# Altium PCB 蓝桥1.41.PcbDoc (part 2 of 2) (continued)
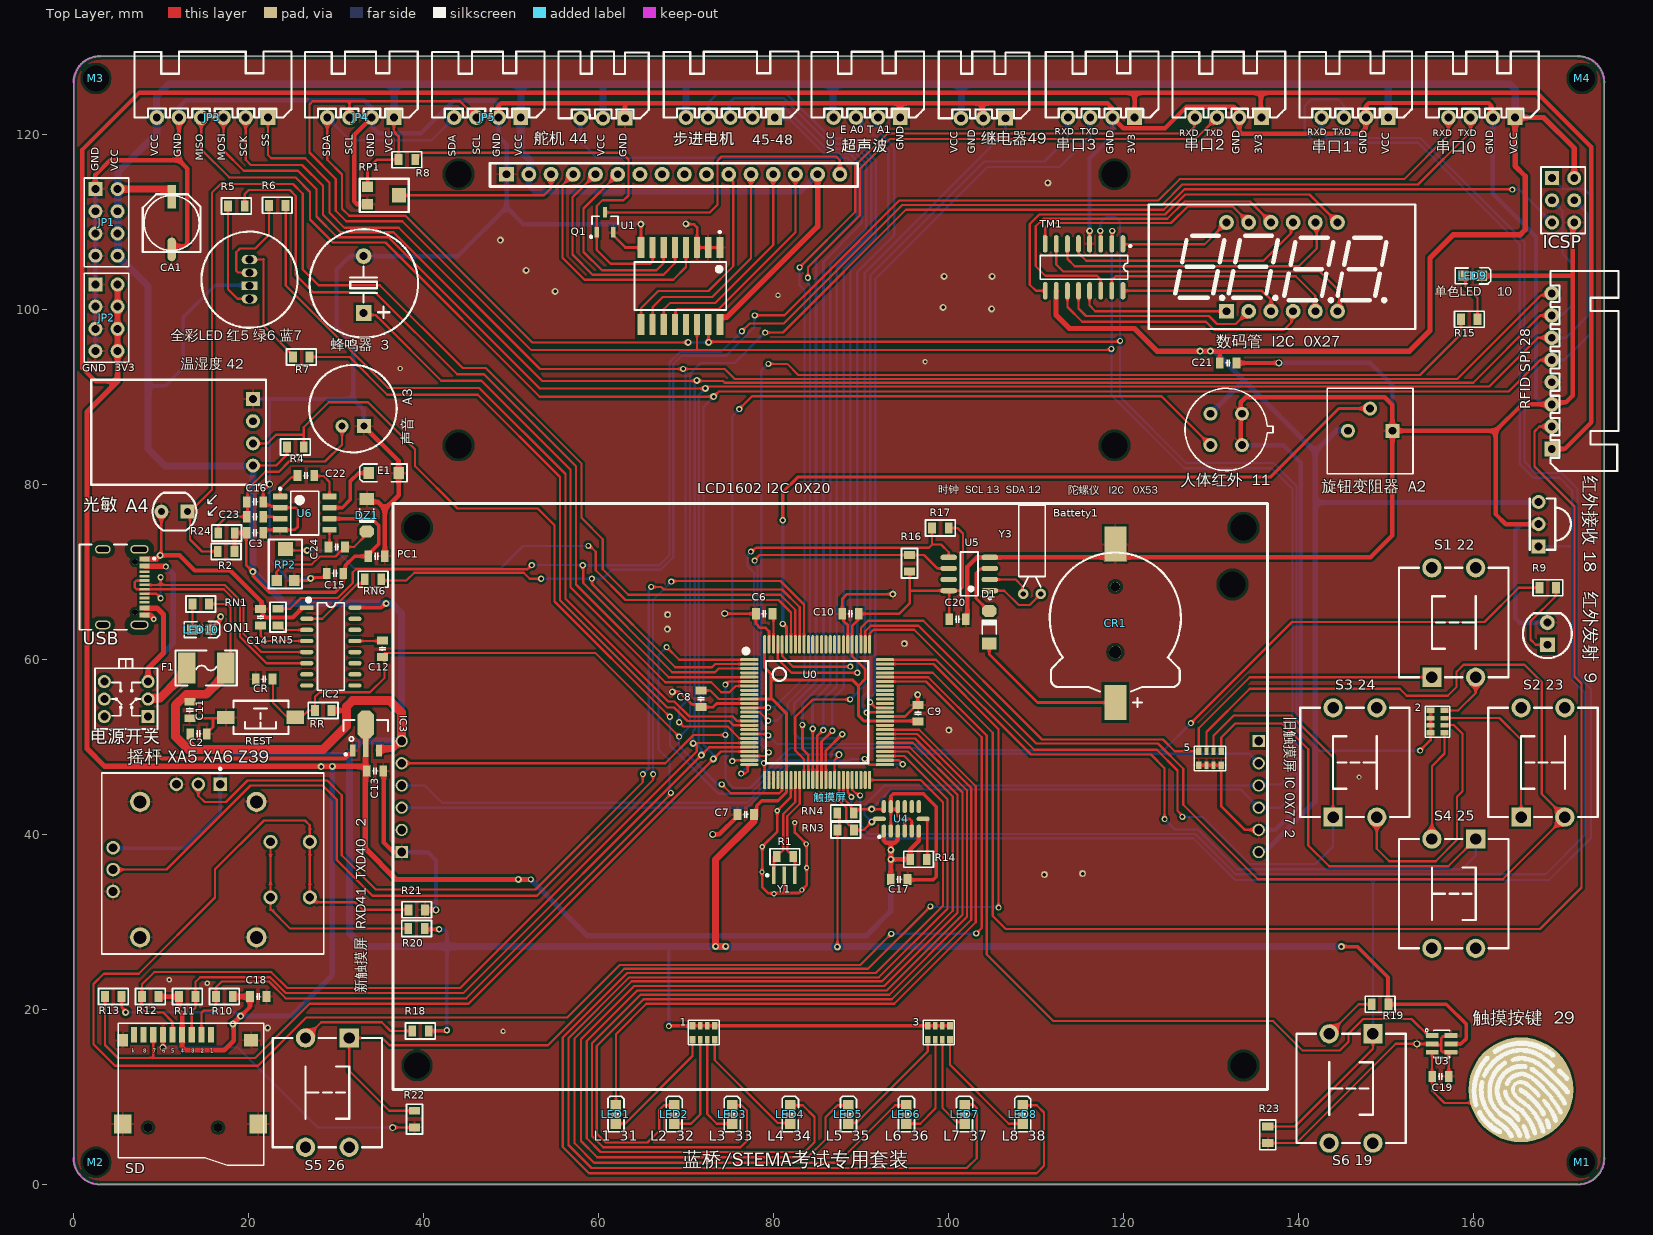
[diagram p0: Top Layer view]
## Nets (pads, with @x,y where several pads share a name; then routed paths per layer and width w, separated by ;. In a path a pad name is that pad's centre, name@x,y a point inside that pad or via, vN(x,y) a via of type N, cw(c..) or ccw(c..) an arc to the next point about the centre after c; other vN are vias at no path point) (continued)
  Top Layer w0.254: TM1.8@111.08,107.542 111.08,109.425 111.58,109.925 125.475,109.925 127.375,111.825 132.525,111.825 134.35,110
NetTM1_9: "数码管  I2C  0X27.7" TM1.9 | length 46.9
  Top Layer w0.254: TM1.9@111.08,102.183 110.017,102.183 109.325,102.875 109.325,109.825 110.4,110.9 124.786,110.9 127.086,113.2 141.31,113.2 144.51,110
NetTM1_11: "数码管  I2C  0X27.4" TM1.11 | length 30.3
  Top Layer w0.254: TM1.11@113.62,102.183 113.62,100.33 115.312,98.637 129.463,98.637 130.4,97.7 138.35,97.7 139.259,98.609 139.259,99.669 139.43,99.84
NetTM1_12: "数码管  I2C  0X27.2" TM1.12 | length 22.8
  Top Layer w0.254: TM1.12@114.89,102.183 114.89,100.16 115.75,99.3 129.8,99.3 130.725,98.375 132.885,98.375 134.35,99.84
NetTM1_13: "数码管  I2C  0X27.1" TM1.13 | length 17.6
  Top Layer w0.254: TM1.13@116.16,102.183 116.16,100.49 116.81,99.84 131.81,99.84
NetTM1_14: "数码管  I2C  0X27.10" TM1.14 | length 43
  Top Layer w0.254: TM1.14@117.43,102.183 117.43,103.47 117,103.9 111.1,103.9 110,105 110,109.55 110.875,110.425 125.05,110.425 127.025,112.4 134.49,112.4 136.89,110
NetTM1_15: "数码管  I2C  0X27.5" TM1.15 | length 27.4
  Top Layer w0.254: TM1.15@118.7,102.183 118.7,103.425 119.125,103.85 139.725,103.85 141.97,101.605 141.97,99.84
NetTM1_16: "数码管  I2C  0X27.3" TM1.16 | length 18.7
  Top Layer w0.305: TM1.16@119.97,102.183 135.867,102.183 136.89,101.16 136.89,99.84
NetU5_1: U5.1 Y3.1 | length 7
  Top Layer w0.254: U5.1@104.75,67.895 106.405,67.895 108.05,66.25 109.3,66.25 Y3.1@110.575,67.525
NetU5_2: U5.2 Y3.2 | length 5
  Top Layer w0.254: U5.2@104.75,69.165 107.71,69.165 108.469,68.406 108.469,67.631 Y3.2@108.575,67.525
NetUSB_A4-B9: USB.A4-B9 USB.B4-A9 电源开关.3 | length 28
  Top Layer w0.61: USB.B4-A9@8.09,65.9 9.525,65.9 10.275,65.15 10.275,60.775 8.5,59 电源开关.3@8.5,57.5 ; USB.A4-B9@8.09,70.7 10.476,70.7 10.526,70.65 v1(10.55,70.65)
  Bottom Layer w0.61: 电源开关.3@8.5,57.5 8.5,59 11.375,61.875 11.375,69.801 10.55,70.626 v1(10.55,70.65)
P1: R10.2 SD.2 U0.1 | length 97.2
  Top Layer w0.254: SD.2@14.6,17.127 14.6,19.625 14.85,19.875 15.672,19.875 16.274,20.476 R10.2@16.274,21.475 16.274,22.549 16.925,23.2 22.325,23.2 24.25,21.275 44.9,21.275 68.29,44.665 v1(68.29,44.76) ; v1(67.785,61.45) 69.235,60 U0.1@77.253,60
  Bottom Layer w0.254: v1(67.785,61.45) 66.85,60.515 66.85,49.775 68.125,48.5 68.125,45.618 68.158,45.586 68.158,44.892 v1(68.29,44.76)
P2: RN6.2 U0.2 串口0.4 | length 182.2
  Top Layer w0.254: RN6.2@35.175,69.2 35.325,69.05 38.025,69.05 38.925,69.95 51.45,69.95 52.15,69.25 v1(53.45,69.25) ; v1(59.25,69.275) 59.25,68.65 68.775,59.125 72.975,59.125 73.35,59.5 U0.2@77.253,59.5 ; v1(77.875,99.375) 81.275,99.375 85.325,103.425 94.4,112.5 124,112.5 126.45,114.95 152.125,114.95 157.19,120.015 串口0.4@157.19,122
  Bottom Layer w0.254: v1(53.45,69.25) 53.462,69.263 59.238,69.263 v1(59.25,69.275) 60.525,69.275 61.525,70.275 67.1,70.275 68.55,71.725 68.55,93.8 69.5,94.75 74.575,94.75 77.825,98 77.825,99.325 v1(77.875,99.375)
P3: RN5.2 U0.3 串口0.3 | length 199.7
  Top Layer w0.254: RN5.2@23.35,65.825 24.775,65.825 26,67.05 30.175,67.05 31.9,68.775 31.9,70 32.25,70.35 51.9,70.35 v1(52.375,70.825) ; v1(58.2,70.8) 58.25,70.75 58.25,68.775 68.45,58.575 73.325,58.575 73.75,59 U0.3@77.253,59 ; v1(76.4,97.55) 77.3,98.45 81.175,98.45 94.7,111.975 124.4,111.975 126.75,114.325 153.7,114.325 159.73,120.355 串口0.3@159.73,122
  Bottom Layer w0.254: v1(52.375,70.825) 52.387,70.812 58.188,70.812 v1(58.2,70.8) 66.975,70.8 68.125,71.95 68.125,93.975 69.35,95.2 74.05,95.2 v1@76.387,97.537
P5: R5.2 U0.5 | length 95.6
  Top Layer w0.254: R5.2@19.55,111.875 19.55,113.251 19.999,113.7 24.725,113.7 25.4,113.025 25.4,103.975 27.35,102.025 34.45,102.025 43.85,92.625 46.925,92.625 57.425,82.125 57.425,68.6 68.025,58 U0.5@77.253,58
P6: U0.6 触摸屏.5 触摸屏.11 | length 116.1
  Top Layer w0.254: 触摸屏.5@37.5,48.16 67.631,48.16 70.871,51.4 v1(74.525,51.4) ; v1(74.525,57.15) 74.55,57.15 74.9,57.5 U0.6@77.253,57.5
  Bottom Layer w0.254: v1(74.525,57.15) v1(74.525,51.4) 74.525,46.275 75.475,45.325 77.325,45.325 81.9,49.9 96.3,49.9 96.95,49.25 134.41,49.25 触摸屏.11@135.5,48.16
P7: "蜂鸣器  3.1" U0.7 | length 70.2
  Top Layer w0.254: 33.15,99.65 33.39,99.41 34.515,99.41 35.15,98.775 42.025,91.9 46.625,91.9 56.8,81.725 56.8,68.275 67.65,57.425 72.9,57.425 74.05,56.275 74.975,56.275 75.7,57 U0.7@77.253,57
P12: U0.12 串口2.4 | length 110.8
  Top Layer w0.254: U0.12@77.253,54.5 77.266,54.512 79.388,54.512 v1(79.4,54.525) ; v1(82.997,104.847) 89.375,111.225 89.375,116.5 93.025,120.15 127.35,120.15 128.118,120.918 128.118,121.928 串口2.4@128.19,122
  Bottom Layer w0.254: v1(79.4,54.525) 79.481,54.606 80.181,54.606 83.575,58 83.575,102.253 82.997,102.831 v1(82.997,104.847)
P13: U0.13 串口2.3 | length 114
  Top Layer w0.254: U0.13@77.253,54 77.272,53.982 78.443,53.982 v1(79.4,53.025) ; v1(83.95,103.675) 83.95,104.875 89.875,110.8 89.875,116.1 93.325,119.55 128.28,119.55 串口2.3@130.73,122
  Bottom Layer w0.254: v1(79.4,53.025) 80.4,53.025 81.6,54.225 81.6,54.975 84.175,57.55 84.175,102.8 83.95,103.025 v1(83.95,103.675)
P14: R6.2 U0.15 | length 91.2
  Top Layer w0.254: R6.2@24.225,111.95 24.252,111.923 24.252,102.773 35.95,91.075 46.375,91.075 56.225,81.225 56.225,66.975 67.97,55.23 68.67,55.23 70.4,53.5 75.35,53.5 75.85,53 U0.15@77.253,53
P15: R7.2 U0.16 | length 76
  Top Layer w0.254: R7.2@26.975,94.625 31.525,94.625 35.85,90.3 46.2,90.3 55.6,80.9 55.6,66.8 67.875,54.525 68.65,54.525 70.175,53 74.95,53 75.45,52.5 U0.16@77.253,52.5
P18: R9.1 U0.18 | length 98.8
  Top Layer w0.254: U0.18@77.253,51.5 79.127,51.5 79.277,51.35 v1(79.425,51.35) ; v1(127.75,52.75) 139.3,64.3 161.3,64.3 165.225,68.225 R9.1@167.6,68.225
  Bottom Layer w0.254: v1(79.425,51.35) 80.4,50.375 96.45,50.375 97.175,49.65 124.65,49.65 v1(127.75,52.75)
P23: R15.1 U0.23 | length 131.3
  Top Layer w0.254: U0.23@77.253,49 79.175,49 79.5,49.325 v1(79.5,49.4) ; v1(79.425,93.825) 81.575,93.825 82.85,92.55 153.925,92.55 158.625,97.25 R15.1@158.625,98.825 ; R15.1@158.625,98.925 R15.1@158.625,98.825 ; R15.1@158.875,99.075 R15.1@158.625,98.825
  Bottom Layer w0.254: v1(79.425,93.825) 79.375,93.825 78.625,93.075 78.625,50.275 v1(79.5,49.4)
P24: "人体红外  11.4" U0.24 | length 99.3
  Top Layer w0.254: v1(75.296,48.4) 75.381,48.485 75.635,48.485 75.65,48.5 U0.24@77.253,48.5 ; v1@76.125,88.7 77.55,90.125 124.383,90.125 129.979,84.529
  Bottom Layer w0.254: v1(75.296,48.4) 75.296,87.846 v1(76.1,88.65)
P25: R17.1 U0.25 U5.5 | length 54.1
  Top Layer w0.254: v1(76.304,46.979) 76.325,47 76.825,47 77.075,47.25 77.075,47.956 77.119,48 U0.25@77.253,48 ; v1(77.425,72.35) 77.546,72.35 78.001,72.805 97.805,72.805 98.175,73.175 ; R17.1@98.15,75.05 98.15,73.2 98.175,73.175 ; U5.5@100.05,71.705 100.05,72.3 99.175,73.175 98.175,73.175
  Bottom Layer w0.254: v1(76.304,46.979) 77.813,48.488 77.813,48.698 77.794,48.717 77.794,69.948 77.05,70.692 77.05,71.958 77.425,72.333 v1(77.425,72.35)
P26: R16.1 U0.26 U5.6 | length 48.7
  Top Layer w0.254: v1(77.85,71.325) 77.85,71.412 78.413,71.975 R16.1@95.575,71.975 97.225,71.975 98.765,70.435 U5.6@100.05,70.435 ; v1(78.925,48.175) 78.987,48.113 78.987,46.266 U0.26@79.006,46.248
  Bottom Layer w0.254: v1(77.85,71.325) 77.935,71.24 77.935,70.89 78.175,70.65 78.175,48.875 78.875,48.175 v1(78.925,48.175)
P30: C12.1 CR.2 ICSP.5 REST.1 RR.2 U0.30 | length 226.5
  Top Layer w0.254: CR.2@22.8,57.775 22.8,55.05 24.43,53.42 REST.1@25.346,53.42 ; REST.1@25.5,53.45 26.075,53.45 26.825,54.2 RR.2@27.575,54.2 27.575,55.725 28.125,56.275 33.875,56.275 35.55,57.95 35.55,60.75 59.675,60.75 v1(69.225,51.2) ; v1(74.1,45.75) 75.125,44.725 80.675,44.725 80.987,45.037 80.987,46.229 U0.30@81.006,46.248 ; v1(79.05,97.4) 81.1,97.4 95.15,111.45 124.65,111.45 127,113.8 164.45,113.8 v1(164.5,113.75)
  Bottom Layer w0.254: v1(74.1,45.75) 74.052,45.798 73.552,45.798 69.225,50.125 v1(69.225,51.2) 69.275,51.2 70.475,52.4 70.475,92.7 71.7,93.925 75.575,93.925 v1(79.05,97.4) ; v1(164.5,113.75) 165.27,113.75 ICSP.5@169.03,109.99
P35: U0.35 继电器49.1 | length 88.5
  Top Layer w0.254: U0.35@83.506,46.248 83.506,48.619 82.5,49.625 82.5,53.45 84.5,55.45 v1(88.775,55.45)
  Bottom Layer w0.254: v1(88.775,55.45) 90.45,57.125 90.45,104.225 106.54,120.315 继电器49.1@106.54,121.908
P36: U0.36 步进电机.1 | length 85.6
  Top Layer w0.305: v1(83.325,52.55) 83.325,49.8 84.006,49.119 U0.36@84.006,46.248
  Bottom Layer w0.305: 步进电机.1@80.16,122 80.33,121.83 81.82,121.83 85.725,117.925 88.675,117.925 90.1,116.5 90.1,109.925 85.725,105.55 85.725,57.375 83.325,54.975 v1(83.325,52.55)
P37: U0.37 步进电机.2 | length 90.4
  Top Layer w0.305: v1(84.5,52.1) 84.503,52.097 84.503,46.25 U0.37@84.506,46.248
  Bottom Layer w0.305: 步进电机.2@77.62,122 77.62,123.395 77.85,123.625 80.825,123.625 86.025,118.425 88.875,118.425 90.625,116.675 90.625,109.325 86.5,105.2 86.5,57.175 84.475,55.15 84.475,52.125 v1(84.5,52.1)
P38: U0.38 步进电机.3 | length 94.4
  Top Layer w0.305: U0.38@85.006,46.248 85.006,51.256 v1(85.7,51.95)
  Bottom Layer w0.305: 步进电机.3@75.08,122 74.95,122.13 74.95,123.675 75.475,124.2 81.15,124.2 86.35,119 89.05,119 91.2,116.85 91.2,108.875 87.25,104.925 87.25,57 85.7,55.45 v1(85.7,51.95)
P39: U0.39 步进电机.4 | length 98
  Top Layer w0.305: U0.39@85.506,46.248 85.506,50.631 v1(86.75,51.875)
  Bottom Layer w0.305: 步进电机.4@72.54,122 72.575,122.035 72.575,123.725 73.725,124.875 81.35,124.875 86.625,119.6 89.175,119.6 91.725,117.05 91.725,108.4 88.05,104.725 88.05,56.8 86.75,55.5 v1(86.75,51.875)
P40: "舵机 44.3" U0.40 | length 115.1
  Top Layer w0.305: U0.40@86.006,46.248 86.006,49.606 v1(87.875,51.475)
  Bottom Layer w0.305: 57.96,121.908 57.96,119.24 59.825,117.375 88.5,117.375 89.525,116.35 89.525,110.475 84.875,105.825 84.875,57.475 82.4,55 82.4,51.55 82.925,51.025 87.318,51.025 87.768,51.475 v1(87.875,51.475)
P42: "温湿度 42.2" R4.2 U0.42 | length 102.5
  Top Layer w0.254: 20.5,84.73 22.13,84.73 23.125,85.725 26.275,85.725 26.3,85.7 ; R4.2@26.3,84.325 26.3,85.7 ; v1(68.166,53.475) 54.975,66.666 54.975,75.375 53.075,77.275 43.875,77.275 39.038,82.112 39.038,84.038 33.65,89.425 29.15,89.425 26.3,86.575 26.3,85.7 ; U0.42@87.006,46.248 87.006,48.54 87.5,49.034 v4(87.5,49.15)
  Bottom Layer w0.254: v1(68.166,53.475) 68.166,50.234 73.725,44.675 77.35,44.675 81.825,49.15 v4(87.5,49.15)
P45: "S6 19.1" R23.2 U0.45 串口1.4 | length 232.6
  Top Layer w0.254: U0.45@88.506,46.248 88.506,44.84 88.925,44.421 v1(88.925,44.3) ; R23.2@136.525,6.625 139.65,6.625 148.55,15.525 148.55,17.225
  Bottom Layer w0.254: v1(88.925,44.3) 88.925,41.2 90.55,39.575 128.025,39.575 132.775,34.825 148.55,34.825 ; 串口1.4@142.69,122 142.69,120.285 143.327,119.648 153.977,119.648 165.875,107.75 165.875,82.65 167.175,81.35 170.15,81.35 171.95,79.55 171.95,58.2 173.5,56.65 173.5,39.6 168.725,34.825 148.55,34.825 ; 148.55,17.225 148.55,34.825
P46: "红外接收 18.1" U0.46 串口1.3 | length 208.3
  Top Layer w0.254: U0.46@89.006,46.248 89.024,46.229 89.024,45.141 89.605,44.56 89.84,44.56 v1(89.925,44.475)
  Bottom Layer w0.254: v1(89.925,44.475) 89.925,41.125 90.975,40.075 128.25,40.075 132.85,35.475 168.3,35.475 172.75,39.925 172.75,56.25 171.35,57.65 171.35,72.9 ; 串口1.3@145.23,122 145.23,123.42 144.575,124.075 141.525,124.075 140.75,123.3 140.75,120.3 141.95,119.1 153.75,119.1 165.35,107.5 165.35,82.375 166.925,80.8 169.9,80.8 171.35,79.35 171.35,72.9 ; 167.5,72.96 171.29,72.96 171.35,72.9
P51: U0.51 触摸屏.4 | length 58.5
  Top Layer w0.254: v1(90.425,48.654) 90.425,48.546 90.971,48 U0.51@92.758,48
  Bottom Layer w0.254: 触摸屏.4@37.5,45.62 40.13,45.62 42.1,43.65 77,43.65 81.8,48.45 88.65,48.45 88.854,48.654 v1(90.425,48.654)
P52: U0.52 触摸屏.3 | length 61.6
  Top Layer w0.254: U0.52@92.758,48.5 94.339,48.5 94.789,48.05 v1(94.8,48.05)
  Bottom Layer w0.254: 触摸屏.3@37.5,43.08 76.98,43.08 81.95,48.05 v1(94.8,48.05)
P63: U0.63 串口3.4 | length 84.2
  Top Layer w0.254: v1(90.65,53.95) 90.682,53.982 92.74,53.982 U0.63@92.758,54
  Bottom Layer w0.254: v1(90.65,53.95) 90.65,54.098 90.125,54.623 90.125,55.7 91.075,56.65 91.075,103.925 104.125,116.975 111,116.975 113.69,119.665 串口3.4@113.69,122
P64: U0.64 串口3.3 | length 84.1
  Top Layer w0.254: v1(91.05,55.15) 91.682,54.518 92.74,54.518 U0.64@92.758,54.5
  Bottom Layer w0.254: v1(91.05,55.15) 91.098,55.198 91.098,55.698 91.65,56.25 91.65,103.525 104.45,116.325 112.725,116.325 116.23,119.83 串口3.3@116.23,122
P70: "摇杆 XA5 XA6 Z39.b" "摇杆 XA5 XA6 Z39.d" R21.1 U0.70 | length 206.2
  Top Layer w0.254: R21.1@38.275,31.4 33.036,31.4 32.159,32.277 27.548,32.277 27,32.825 27,39.175 27,41.075 26.45,41.625 21.75,41.625 16.15,36.025 16.15,32.8 7.45,24.1 3.45,24.1 2.275,22.925 2.275,16.025 4.725,13.575 21.075,13.575 26.6,19.1 56.425,19.1 62.425,25.1 89.925,25.1 v1(93.475,28.65) ; U0.70@92.758,57.5 97.45,57.5 103.825,51.125 103.825,29.325 v1(103.2,28.7)
  Bottom Layer w0.254: v1(93.475,28.65) 93.5,28.675 103.175,28.675 v1(103.2,28.7)
P71: U0.71 U3.1 | length 97.7
  Top Layer w0.254: U0.71@92.758,58 97.725,58 104.4,51.325 104.4,26.3 112.025,18.675 137.15,18.675 140.525,15.3 144.725,15.3 145.75,16.325 145.75,17.225 147.45,18.925 152.964,18.925 154.871,17.018 U3.1@155.321,17.018
P72: "RFID SPI 28.2" U0.72 | length 162.6
  Top Layer w0.254: U0.72@92.758,58.5 98.225,58.5 105.075,51.65 105.075,30.7 106.575,29.2 167.65,29.2 172.4,33.95 172.4,57.275 171.6,58.075 171.6,77.525 167.025,82.1 167.025,86.1 167.575,86.65 169,86.65
P74: "S5 26.1" R22.2 U0.74 | length 130.8
  Top Layer w0.254: R22.2@38.975,8.425 36.075,8.425 31.5,13 31.5,16.75 35.275,16.75 36.1,15.925 54.225,15.925 62.95,24.65 90.825,24.65 v1(97.962,31.787) ; U0.74@92.758,59.5 98.3,59.5 105.75,52.05 v1(105.75,31.65)
  Bottom Layer w0.254: v1(97.962,31.787) 98.031,31.719 105.681,31.719 v1(105.75,31.65)
P75: 5.5 "S4 25.1" U0.75 | length 129.3
  Top Layer w0.254: U0.75@92.758,60 98.6,60 109.45,49.15 123.175,49.15 124.725,47.6 v1(124.725,41.775) ; 5.5@131.205,49.525 131.205,51.105 132.8,52.7 138.225,52.7 141.163,49.762 141.163,38.763 143.55,36.375 157.175,36.375 160.3,39.5
  Bottom Layer w0.254: v1(124.725,41.775) 125.925,40.575 128.55,40.575 133.075,36.05 158.75,36.05 160.3,37.6 160.3,39.5
P76: 5.6 "S3 24.1" U0.76 | length 97.7
  Top Layer w0.254: U0.76@91.006,61.752 91.024,61.771 91.024,62.999 91.45,63.425 96.1,63.425 109.825,49.7 123.825,49.7 126.2,47.325 126.2,42.734 126.775,42.159 v1(126.775,42.025) ; 5.6@130.325,49.525 130.325,51.3 132.65,53.625 139.225,53.625 144,48.85 144,42
  Bottom Layer w0.254: v1(126.775,42.025) 129.1,42.025 134.475,36.65 142,36.65 144,38.65 144,42
P77: 5.7 "S2 23.2" U0.77 | length 161.9
  Top Layer w0.254: U0.77@90.506,61.752 90.506,63.256 91.125,63.875 96.6,63.875 110.05,50.425 123.975,50.425 126.862,47.537 126.862,43.412 135.375,34.9 163.4,34.9 170.5,42 167.85,44.65 167.85,57.45 165.887,59.412 158.912,59.412 158.125,58.625 158.125,56.9 157.1,55.875 152.425,55.875 151.625,56.675 134.475,56.675 129.525,51.725 5.7@129.525,49.525
P78: 5.8 "S1 22.1" U0.78 | length 78.8
  Top Layer w0.254: U0.78@90.006,61.752 90.006,63.631 90.825,64.45 97.15,64.45 110.725,50.875 124.548,50.875 125.898,49.525 5.8@128.645,49.525 128.645,52.17 134.475,58 155.3,58
P91: "摇杆 XA5 XA6 Z39.2_VR2" U0.91 | length 124.9
  Top Layer w0.254: 4.5,36 10.6,36 20.225,45.625 28.475,45.625 30.075,44.025 30.075,37.1 34.175,33 52.975,33 66.25,46.275 v1(66.25,46.925) ; v1(68.325,68.925) 68.4,69 80.825,69 83.506,66.319 U0.91@83.506,61.752
  Bottom Layer w0.254: v1(66.25,46.925) 66.25,66.85 v1(68.325,68.925)
P92: "摇杆 XA5 XA6 Z39.2_VR1" U0.92 | length 112.6
  Top Layer w0.254: 14.25,45.75 14.25,44.45 14.975,43.725 17.425,43.725 19.875,46.175 28.975,46.175 30.65,44.5 30.65,37.625 34.55,33.725 52.8,33.725 65.075,46 v1(65.075,46.925) ; v1(66.025,68.325) 66.033,68.317 67.195,68.317 67.487,68.025 80.975,68.025 83.006,65.994 U0.92@83.006,61.752
  Bottom Layer w0.254: v1(65.075,46.925) 65.75,47.6 65.75,67.929 66.025,68.204 v1(66.025,68.325)
P93: R2.2 U0.93 光敏.1 | length 146.4
  Top Layer w0.254: R2.2@16.475,72.375 14.675,72.375 13.3,73.75 13.3,76.9 15.8,79.4 15.8,113.375 16.825,114.4 25.075,114.4 26.2,113.275 26.2,104.625 28,102.825 35,102.825 44.475,93.35 47.125,93.35 58.075,82.4 58.075,76.212 60.5,73.787 60.5,70.325 63.4,67.425 80.775,67.425 82.506,65.694 U0.93@82.506,61.752
P94: RP2.2 U0.94 | length 67.8
  Top Layer w0.254: RP2.2@24.2,72.65 24.35,72.5 v2(26.7,72.5) ; v1(58.85,73) 59.037,73 59.687,72.35 59.687,70.238 63.1,66.825 80.575,66.825 82.006,65.394 U0.94@82.006,61.752
  Bottom Layer w0.254: v2(26.7,72.5) 30,72.5 32.025,70.475 48.85,70.475 51.375,73 v1(58.85,73)
P95: "旋钮变阻器  A2.2" U0.95 | length 88.7
  Top Layer w0.356: v1(81.075,64.1) 81.125,64.05 81.175,64.05 81.506,63.719 U0.95@81.506,61.752 ; v1(81.075,75.95) 81.075,79.175 82.775,80.875 136.825,80.875 144.665,88.715 148.235,88.715
  Bottom Layer w0.356: v1(81.075,64.1) v1(81.075,75.95)
P96: U0.96 超声波.3 | length 75.7
  Top Layer w0.254: U0.96@81.006,61.752 81.024,61.734 81.024,60.426 82.25,59.2 v1(88.8,59.2)
  Bottom Layer w0.254: v1(88.8,59.2) 88.8,104.525 93.125,108.85 93.125,118.305 超声波.3@89.43,122
P97: U0.97 超声波.2 | length 77.4
  Top Layer w0.254: U0.97@80.506,61.752 80.506,60.321 80.505,60.07 82.075,58.5 v1(89.6,58.5)
  Bottom Layer w0.254: v1(89.6,58.5) 89.6,104.325 93.825,108.55 93.825,118.625 91.97,120.48 超声波.2@91.97,122
SCK: "RFID SPI 28.7" ICSP.3 JP3.2 R12.1 SD.5 U0.20 | length 319.3
  Top Layer w0.254: SD.5@11.3,17.127 11.3,18.575 10.2,19.675 8.25,19.675 7.725,20.2 7.725,21.392 R12.1@7.808,21.475 7.808,22.883 9.2,24.275 22.6,24.275 24.4,22.475 44.225,22.475 71.25,49.5 71.25,50.425 ; JP3.2@19.66,122 19.66,117.165 20.25,116.575 26.1,116.575 28.5,114.175 28.5,110.875 30.5,108.875 36.575,108.875 53.575,91.875 71.25,91.875 74.25,91.875 74.45,91.675 160.025,91.675 167.7,99.35 169,99.35 169.025,99.375 ; v2(70.821,50.425) 71.25,50.425 ; U0.20@77.253,50.5 77.235,50.482 71.307,50.482 71.25,50.425
  Bottom Layer w0.254: v2(70.821,50.425) 70.821,51.829 71,52.008 71,91.552 71.25,91.802 v2(71.25,91.95) ; 169,99.35 169.191,99.541 170.341,99.541 171.55,100.75 171.55,105.075 170.225,106.4 170.225,111.335 ICSP.3@169.03,112.53
SCL: JP4.3 JP5.3 RN3.2 TM1.2 U0.43 U1.14 U4.14 触摸屏.10 | length 275.4
  Top Layer w0.254: JP4.3@31.53,122 31.53,123.863 ; JP5.3@46.04,122 44.177,123.863 31.53,123.863 ; U1.14@71.28,98.325 71.28,95.545 71.4,95.425 ; U0.43@87.506,46.248 87.506,43.894 88.325,43.075 88.325,41.425 88.717,41.033 88.907,41.033 89.225,40.715 RN3.2@89.225,40.525 ; RN3.2@89.415,40.525 90.325,40.525 v2(91.25,41.45) ; v2@91.275,41.45 91.625,41.8 U4.14@92.527,41.8 ; v1(118.65,95.525) 118.55,95.425 71.4,95.425 ; TM1.2@118.7,107.542 118.725,107.567 118.725,109 v1(118.75,109.025) ; 31.53,123.863 27.337,123.863 26.95,123.475 26.95,118 29.975,114.975 29.975,111.325 31.175,110.125 37.575,110.125 52.275,95.425 71.4,95.425
  Bottom Layer w0.254: v2(91.25,41.45) 90.425,42.275 90.425,43.35 92.695,45.62 触摸屏.10@135.5,45.62 触摸屏.10@135.605,45.725 ; v1(118.75,109.025) 118.7,108.975 118.7,95.575 v1(118.65,95.525) 118.65,90.225 126.975,81.9 136.975,81.9 139.35,79.525 139.35,47.025 138.05,45.725 触摸屏.10@135.605,45.725 ; 136.581,45.781 135.661,45.781 触摸屏.10@135.605,45.725
SDA: JP4.4 JP5.4 RN4.2 TM1.3 U0.44 U1.15 U4.13 触摸屏.9 | length 268.6
  Top Layer w0.254: JP4.4@28.99,122 28.99,117.16 30.675,115.475 30.675,111.575 31.5,110.75 37.95,110.75 52.425,96.275 v2(70.25,96.275) ; U1.15@72.55,98.325 72.575,98.3 72.575,96.3 v2(72.6,96.275) 72.688,96.362 119.562,96.362 v1(119.65,96.45) ; U0.44@88.006,46.248 88.006,44.144 88.882,43.268 88.882,42.983 89.048,42.817 89.132,42.817 RN4.2@89.45,42.5 ; RN4.2@89.45,42.58 89.767,42.897 91.225,42.897 U4.13@92.625,42.897 ; v1(117.375,109.025) 117.402,108.998 117.402,107.57 TM1.3@117.43,107.542
  Bottom Layer w0.254: JP4.4@28.99,122 31.59,119.4 40.9,119.4 JP5.4@43.5,122 ; v2(70.25,96.275) v2(72.6,96.275) ; v2(91.225,42.925) 93.45,45.15 133.43,45.15 触摸屏.9@135.5,43.08 137.955,43.08 139.817,44.942 139.817,79.858 137.2,82.475 127.2,82.475 119.65,90.025 v1(119.65,96.45) 119.65,110.075 119.1,110.625 118.05,110.625 117.375,109.95 v1(117.375,109.025)
SS: "RFID SPI 28.8" JP3.1 U0.19 | length 217.4
  Top Layer w0.254: JP3.1@22.2,122 22.2,117.725 22.6,117.325 26.475,117.325 29.25,114.55 29.25,111.1 30.95,109.4 37.175,109.4 53.325,93.25 v1(69.675,93.25) 74.425,93.25 75.575,92.1 158.2,92.1 167.769,101.669 168.779,101.669 169,101.89 ; v1(69.225,52.85) 69.7,52.375 74.75,52.375 76.107,51.018 77.235,51.018 U0.19@77.253,51
  Bottom Layer w0.254: v1(69.225,52.85) 69.225,54.425 69.95,55.15 69.95,92.854 69.675,93.129 v1(69.675,93.25)
pads on no net: "LCD1602 I2C 0X20.0" "LCD1602 I2C 0X20.7" "LCD1602 I2C 0X20.8" "LCD1602 I2C 0X20.9" "LCD1602 I2C 0X20.10" "S1 22.3" "S1 22.4" "S2 23.3" "S2 23.4" "S3 24.3" "S3 24.4" "S4 25.3" "S4 25.4" "S5 26.3" "S5 26.4" "S6 19.3" "S6 19.4" "温湿度 42.3" CR1.0 IC2.7 IC2.8 IC2.9 IC2.10 IC2.11 IC2.12 IC2.14 IC2.15 M1.0 M2.0 M3.0 M4.0 SD.0 SD.1 SD.8 SD.9 U0.4 U0.8 U0.9 U0.14 U0.17 U0.27 U0.28 U0.29 U0.41 U0.47 U0.48 U0.49 U0.60 U0.65 U0.66 U0.67 U0.68 U0.69 U0.73 U0.79 U0.82 U0.83 U0.84 U0.85 U0.86 U0.87 U0.88 U0.89 U0.90 U1.13 U4.8 U4.9 U4.10 U5.7 USB. USB.1 USB.2 USB.3 USB.4 USB.A5 USB.A8 USB.B5 USB.B8 电源开关.1 电源开关.4 电源开关.5 电源开关.6 触摸屏.0 触摸屏.2 触摸屏.12

## Polygon pours and split planes (outlines as drawn)
GND on Top Layer "Top Layer-No Net" (solid, pour order 2): 0,3 0,126 -0.01,126 cw(c3,126) 3,129.01 3,129 172.01,129 172,129.01 cw(c172,126) 175.01,126 175,126.01 175,3 175.01,3 cw(c172,3) 172,-0.01 172,0 3,0 3,-0.01 cw(c3.005,2.995)
GND on Bottom Layer "Top Layer-No Net1" (solid, pour order 3): 0,3 0,126 -0.01,126 cw(c3,126) 3,129.01 3,129 172.01,129 172,129.01 cw(c172,126) 175.01,126 175,126.01 175,3 175.01,3 cw(c172,3) 172,-0.01 172,0 3,0 3,-0.01 cw(c3.005,2.995)

## Keep-outs
Keep-Out Layer:
  lines w0.2: 0,3 0,126 ; 3,0 172,0 ; 3,129 172,129 ; 175,3 175,126
  lines w0.254: 0,3 ccw(c3,3) 3,0 ; 0,126 cw(c3,126) 3,129 ; 172,0 ccw(c172,3) 175,3 ; 172,129 cw(c172,126) 175,126

## Other copper
Top Layer:
  pour cut-out: 80.7,40.175 79.15,38.625 79.15,34.175 79.65,33.675 79.675,33.7 82.75,33.7 82.75,33.725 83.475,34.45 83.475,38.825 82.1,40.2 82.05,40.2
Bottom Layer:
  pour cut-out: 80.7,40.175 79.15,38.625 79.15,34.175 79.65,33.675 79.675,33.7 82.75,33.7 82.75,33.725 83.475,34.45 83.475,38.825 82.1,40.2 82.05,40.2

## Silkscreen, mask and mechanical layers (free items; w line width, h text height)
Top Overlay:
  text "E A0 T A1" at 87.65,119.925 h1.5
  text "RXD  TXD" at 112.175,119.725 h1.3
  text "RXD  TXD" at 141.05,119.675 h1.3
  text "RXD  TXD" at 155.375,119.575 h1.3
  text "RXD  TXD" at 126.4,119.55 h1.3
  text "SS" at 22.633,118.628 h1.5 r90
  text "45-48" at 77.6,118.472 h2
  text "GND" at 95.183,118.225 h1.5 r90
  text "VCC" at 36.783,117.951 h1.5 r90
  text "VCC" at 101.358,117.926 h1.5 r90
  text "VCC" at 87.258,117.876 h1.5 r90
  text "GND" at 103.383,117.825 h1.5 r90
  text "GND" at 119.233,117.8 h1.5 r90
  text "3V3" at 121.683,117.8 h1.5 r90
  text "GND" at 133.608,117.8 h1.5 r90
  text "3V3" at 136.208,117.8 h1.5 r90
  text "GND" at 148.158,117.8 h1.5 r90
  text "VCC" at 150.733,117.801 h1.5 r90
  text "GND" at 162.608,117.8 h1.5 r90
  text "VCC" at 165.333,117.801 h1.5 r90
  text "SCL" at 32.183,117.709 h1.5 r90
  text "SCL" at 46.783,117.709 h1.5 r90
  text "VCC" at 9.958,117.544 h1.5 r90
  text "VCC" at 51.558,117.544 h1.5 r90
  text "VCC" at 61.008,117.544 h1.5 r90
  text "SCK" at 20.108,117.523 h1.5 r90
  text "SDA" at 29.608,117.526 h1.5 r90
  text "SDA" at 43.958,117.526 h1.5 r90
  text "GND" at 12.583,117.455 h1.5 r90
  text "GND" at 34.658,117.455 h1.5 r90
  text "GND" at 49.033,117.455 h1.5 r90
  text "GND" at 63.533,117.455 h1.5 r90
  text "MOSI" at 17.633,117.058 h1.5 r90
  text "MISO" at 15.108,117.025 h1.5 r90
  text "GND" at 3.158,115.825 h1.5 r90
  text "VCC" at 5.358,115.826 h1.5 r90
  text "单色LED    10" at 155.65,101.282 h1.8
  text "3V3" at 4.675,92.667 h1.5
  text "GND" at 1,92.617 h1.5
  text "→" at 15.604,79.696 h2.5 r225
  text "时钟  SCL 13  SDA 12" at 98.825,78.726 h1.5
  text "陀螺仪   I2C   0X53" at 113.701,78.661 h1.5
  text "→" at 15.679,78.421 h2.5 r225
  text "A4" at 5.95,76.35 h2.5
  text "Battety1" at 112,76.032 h1.5
  text "ON1" at 17.075,62.82 h1.8
  text "L1  31" at 59.475,4.622 h2
  text "L2  32" at 65.928,4.622 h2
  text "L3  33" at 72.616,4.622 h2
  text "L4  34" at 79.317,4.622 h2
  text "L5  35" at 86.013,4.622 h2
  text "L6  36" at 92.723,4.622 h2
  text "L7  37" at 99.424,4.622 h2
  text "L8  38" at 106.125,4.622 h2
  text "蓝桥/STEMA考试专用套装" at 69.628,1.529 h2.8
Mechanical 1:
  lines w0.254: -0.01,3 ccw(c3,3) 3,-0.01 ; -0.01,126 cw(c3,126) 3,129.01 ; 0,3 0,126 ; 3,0 172,0 ; 3,129 172.01,129 ; 172,-0.01 ccw(c172,3) 175.01,3 ; 172,129.01 cw(c172,126) 175.01,126 ; 175,3 175,126.01

## Text inside footprints (layer, text, board x,y; h text height)
SD: Top Overlay "1" at 15.598,14.882 h0.76; Top Overlay "2" at 14.506,14.882 h0.76; Top Overlay "3" at 13.439,14.882 h0.76; Top Overlay "4" at 12.246,14.882 h0.76; Top Overlay "5" at 11.179,14.882 h0.76; Top Overlay "6" at 10.112,14.882 h0.76; Top Overlay "7" at 9.045,14.882 h0.76; Top Overlay "8" at 7.928,14.882 h0.76; Top Overlay "k" at 6.658,14.882 h0.76
触摸屏: Top Overlay "旧触摸屏 IC 0X77 2" at 138.109,53.494 h2 r270; Top Overlay "新触摸屏  RXD41  TXD40   2" at 33.776,21.852 h2 r90